# Altium PCB LCD_Controller.PcbDoc (part 1 of 2) (continued)
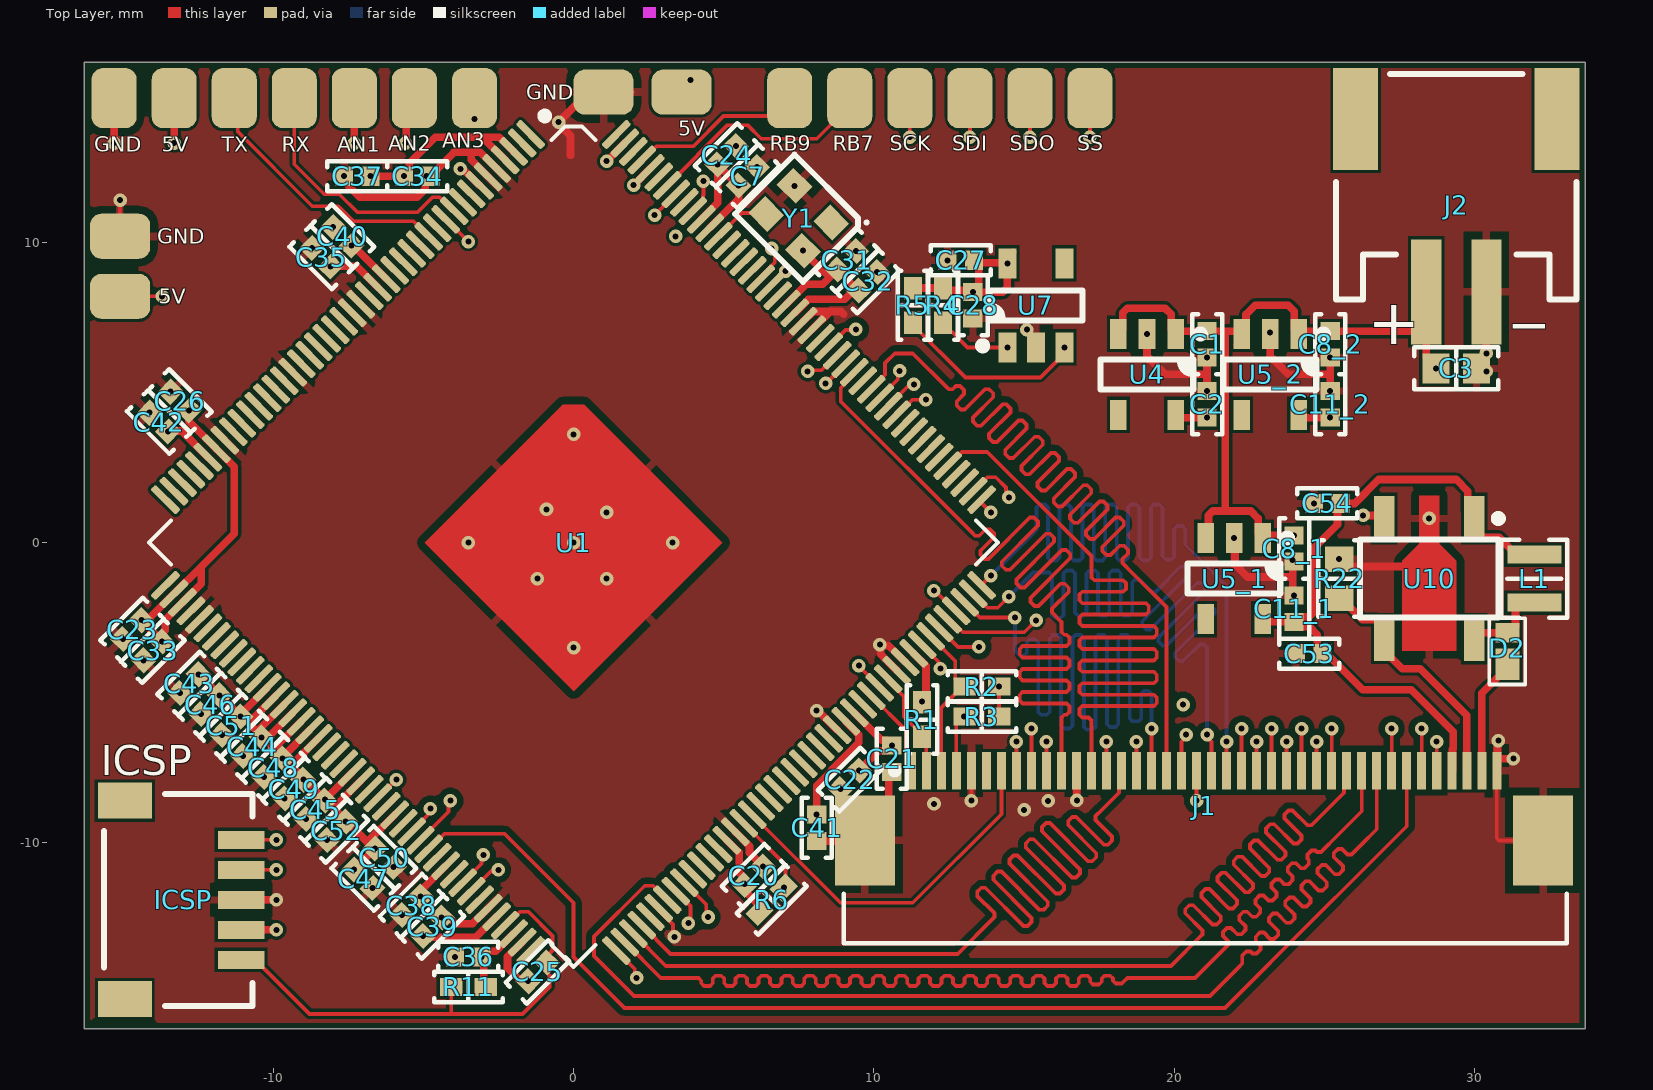
[diagram p0: Top Layer view]
## Footprints (in the part's own frame and the unit in brackets; to place one, negate y for a bottom-side part, rotate by r counter-clockwise, add the part's x,y. Pads: shape width x height; smd on the part's side, far side on the other; paste and mask are expansions set on the pad)
40pin_0.5mmPitch [mm]
  rect 0.3x1.25 smd: 1(-9.75,0) 2(-9.25,0) 3(-8.75,0) 4(-8.25,0) 5(-7.75,0) 6(-7.25,0) 7(-6.75,0) 8(-6.25,0) 9(-5.75,0) 10(-5.25,0) 11(-4.75,0) 12(-4.25,0) 13(-3.75,0) 14(-3.25,0) 15(-2.75,0) 16(-2.25,0) 17(-1.75,0) 18(-1.25,0) 19(-0.75,0) 20(-0.25,0) 21(0.25,0) 22(0.75,0) 23(1.25,0) 24(1.75,0) 25(2.25,0) 26(2.75,0) 27(3.25,0) 28(3.75,0) 29(4.25,0) 30(4.75,0) 31(5.25,0) 32(5.75,0) 33(6.25,0) 34(6.75,0) 35(7.25,0) 36(7.75,0) 37(8.25,0) 38(8.75,0) 39(9.25,0) 40(9.75,0)
  rect 2x3 smd: S1(-11.29,2.325) S2(11.29,2.325)
  silkscreen extent -12.09,-0.1 11.99,5.75, body extent -11.85,0.3 11.85,4.6, height 1.25
"ABRACON ASD" [mm] "Crystal, 4-Leads, Body 2.00x2.45mm, Pitch 1.65mm, IPC Medium Density"
  rect 0.9x0.8 smd: 1(-0.865,-0.665) 2(0.865,-0.665) 3(0.865,0.665) 4(-0.865,0.665)
  silkscreen extent -1.75,-1.55 1.6,1.4, body extent -1.27,-1.02 1.28,1.03, height 1
"CAP 0402_1005" [mm] "Chip Capacitor, 2-Leads, Body 1.02x0.51mm, IPC Medium Density"
  rect 0.6x0.64 smd: 1(-0.44,0) 2(0.44,0)
  silkscreen extent -1,-0.5 1,0.5, body extent -0.5,-0.26 0.5,0.26, height 0.52
"CAP 0603_1608" [mm] "Chip Capacitor, 2-Leads, Body 1.60x0.80mm, IPC Medium Density"
  rect 0.9x1 smd: 1(-0.675,0) 2(0.675,0)
  silkscreen extent -1.4,-0.7 1.4,0.7, body extent -0.8,-0.41 0.8,0.41, height 0.82
"Diode DFN1608D-2 (SOD1608)" [mm]
  rect 1.05x0.8 smd: 1(-0.425,0)
  rect 0.65x0.8 smd: 2(0.625,0)
  silkscreen extent -1.1,-0.6 1.1,0.6, body extent -0.8,-0.4 0.8,0.4, height 0.4
"IND 0806_2016" [mm] "Chip Capacitor, 2-Leads, Body 2.00x1.20mm, IPC Medium Density"
  rect 0.6x1.8 smd: 1(-0.8,0) 2(0.8,0)
  silkscreen extent -1.3,-1.1 1.3,1.1, body extent -1.01,-0.91 1.01,0.91, height 1.81
"JST S2B-PH-SM4-TB" [mm] "JST PH Series 2mm pitch, side entry connector"
  rect 1x3.5 smd: 1(-1,-4.25) 2(1,-4.25)
  rect 1.5x3.4 smd: M(-3.35,1.5) M(3.35,1.5)
  silkscreen extent -4,-4.5 4,3, body extent -3.95,-5.6 3.95,3.01, height 5.6
"JST SM05B-SRSS-TB" [mm] "1.0mm pitch/Disconnectable Crimp style connector"
  rect 0.6x1.55 smd: 1(-2,-2.032) 2(-1,-2.032) 3(0,-2.032) 4(1,-2.032) 5(2,-2.032)
  rect 1.2x1.8 smd: M(-3.3,1.843) M(3.3,1.843)
  silkscreen extent -3.53,-2.41 3.53,2.54, body extent -3.5,-2.38 3.5,2.57, height 2.95
QFP40P2200X2200X160-177N [mm]
  rrect53% 0.24x1.19 smd: 1(-8.6,-10.62) 2(-8.2,-10.62) 3(-7.8,-10.62) 4(-7.4,-10.62) 5(-7,-10.62) 6(-6.6,-10.62) 7(-6.2,-10.62) 8(-5.8,-10.62) 9(-5.4,-10.62) 10(-5,-10.62) 11(-4.6,-10.62) 12(-4.2,-10.62) 13(-3.8,-10.62) 14(-3.4,-10.62) 15(-3,-10.62) 16(-2.6,-10.62) 17(-2.2,-10.62) 18(-1.8,-10.62) 19(-1.4,-10.62) 20(-1,-10.62) 21(-0.6,-10.62) 22(-0.2,-10.62) 23(0.2,-10.62) 24(0.6,-10.62) 25(1,-10.62) 26(1.4,-10.62) 27(1.8,-10.62) 28(2.2,-10.62) 29(2.6,-10.62) 30(3,-10.62) 31(3.4,-10.62) 32(3.8,-10.62) 33(4.2,-10.62) 34(4.6,-10.62) 35(5,-10.62) 36(5.4,-10.62) 37(5.8,-10.62) 38(6.2,-10.62) 39(6.6,-10.62) 40(7,-10.62) 41(7.4,-10.62) 42(7.8,-10.62) 43(8.2,-10.62) 44(8.6,-10.62) 89(8.6,10.62) 90(8.2,10.62) 91(7.8,10.62) 92(7.4,10.62) 93(7,10.62) 94(6.6,10.62) 95(6.2,10.62) 96(5.8,10.62) 97(5.4,10.62) 98(5,10.62) 99(4.6,10.62) 100(4.2,10.62) 101(3.8,10.62) 102(3.4,10.62) 103(3,10.62) 104(2.6,10.62) 105(2.2,10.62) 106(1.8,10.62) 107(1.4,10.62) 108(1,10.62) 109(0.6,10.62) 110(0.2,10.62) 111(-0.2,10.62) 112(-0.6,10.62) 113(-1,10.62) 114(-1.4,10.62) 115(-1.8,10.62) 116(-2.2,10.62) 117(-2.6,10.62) 118(-3,10.62) 119(-3.4,10.62) 120(-3.8,10.62) 121(-4.2,10.62) 122(-4.6,10.62) 123(-5,10.62) 124(-5.4,10.62) 125(-5.8,10.62) 126(-6.2,10.62) 127(-6.6,10.62) 128(-7,10.62) 129(-7.4,10.62) 130(-7.8,10.62) 131(-8.2,10.62) 132(-8.6,10.62)
  rrect53% 1.19x0.24 smd: 45(10.62,-8.6) 46(10.62,-8.2) 47(10.62,-7.8) 48(10.62,-7.4) 49(10.62,-7) 50(10.62,-6.6) 51(10.62,-6.2) 52(10.62,-5.8) 53(10.62,-5.4) 54(10.62,-5) 55(10.62,-4.6) 56(10.62,-4.2) 57(10.62,-3.8) 58(10.62,-3.4) 59(10.62,-3) 60(10.62,-2.6) 61(10.62,-2.2) 62(10.62,-1.8) 63(10.62,-1.4) 64(10.62,-1) 65(10.62,-0.6) 66(10.62,-0.2) 67(10.62,0.2) 68(10.62,0.6) 69(10.62,1) 70(10.62,1.4) 71(10.62,1.8) 72(10.62,2.2) 73(10.62,2.6) 74(10.62,3) 75(10.62,3.4) 76(10.62,3.8) 77(10.62,4.2) 78(10.62,4.6) 79(10.62,5) 80(10.62,5.4) 81(10.62,5.8) 82(10.62,6.2) 83(10.62,6.6) 84(10.62,7) 85(10.62,7.4) 86(10.62,7.8) 87(10.62,8.2) 88(10.62,8.6) 133(-10.62,8.6) 134(-10.62,8.2) 135(-10.62,7.8) 136(-10.62,7.4) 137(-10.62,7) 138(-10.62,6.6) 139(-10.62,6.2) 140(-10.62,5.8) 141(-10.62,5.4) 142(-10.62,5) 143(-10.62,4.6) 144(-10.62,4.2) 145(-10.62,3.8) 146(-10.62,3.4) 147(-10.62,3) 148(-10.62,2.6) 149(-10.62,2.2) 150(-10.62,1.8) 151(-10.62,1.4) 152(-10.62,1) 153(-10.62,0.6) 154(-10.62,0.2) 155(-10.62,-0.2) 156(-10.62,-0.6) 157(-10.62,-1) 158(-10.62,-1.4) 159(-10.62,-1.8) 160(-10.62,-2.2) 161(-10.62,-2.6) 162(-10.62,-3) 163(-10.62,-3.4) 164(-10.62,-3.8) 165(-10.62,-4.2) 166(-10.62,-4.6) 167(-10.62,-5) 168(-10.62,-5.4) 169(-10.62,-5.8) 170(-10.62,-6.2) 171(-10.62,-6.6) 172(-10.62,-7) 173(-10.62,-7.4) 174(-10.62,-7.8) 175(-10.62,-8.2) 176(-10.62,-8.6)
  round 0.025 smd paste-2.675: 177(0,0)
  Top Layer region: 3.5,-3.5 -3,-3.5 -3.5,-3 -3.5,3.5 3.5,3.5
  silkscreen extent -10,-10.84 10,10, body extent -11,-11 11,11, height 1.2
"RES 0402_1005" [mm] "Chip Resistor, 2-Leads, Body 1.0x0.5mm, IPC Medium Density"
  rect 0.75x0.6 smd: 1(-0.575,0) 2(0.575,0)
  silkscreen extent -1.14,-0.51 1.14,0.51, body extent -0.5,-0.25 0.5,0.25, height 0.35
"RES 0603_1608" [mm] "Chip Resistor, 2-Leads, Body 1.60x0.80mm, IPC Medium Density"
  rect 0.85x0.95 smd: 1(-0.65,0) 2(0.65,0)
  silkscreen extent -1.27,-0.7 1.27,0.7, body extent -0.8,-0.4 0.8,0.4, height 0.45
SOT-23-5 [mm]
  rect 0.6x1 smd: 1(-0.95,-1.4) 2(0,-1.4) 3(0.95,-1.4) 4(0.95,1.4) 5(-0.95,1.4)
  silkscreen extent -1.9,-1.47 1.55,0.5, body extent -1.48,-1.44 1.42,1.39, height 1.5
SOT-89-5 [mm]
  rect 0.68x1.5 smd: 1(-1.5,-2) 3(1.5,-2) 4(1.5,2) 5(-1.5,2)
  round 0.025 smd: 2(0,-2)
  Top Layer region: -0.9,-0.6 -0.9,2.4 0.9,2.4 0.9,-0.6 0.34,-1.16 0.34,-2.75 -0.34,-2.75 -0.34,-1.16
  silkscreen extent -2.43,-2.12 2.3,1.3, body extent -2.25,-2.25 2.25,2.25, height 1.54
"TI SOT-23-5 DBV" [mm] "SOT23, 5-Leads, Body 2.90x2.80mm, Pitch 0.95mm, IPC Medium Density"
  rect 1x0.55 smd: 1(-1.35,0.95) 2(-1.35,0) 3(-1.35,-0.95) 4(1.35,-0.95) 5(1.35,0.95)
  silkscreen extent -1.47,-1.55 0.5,1.9, body extent -1.44,-1.42 1.39,1.48, height 1.5

## Part data
C1 C2 C8_1 C8_2 C11_1 C11_2 C53: library part C0402C104K4RACAUTO, "CAP CER 0.1UF 16V X7R 0402", Capacitance="0.1 µF", Device Package="0402 (1005 Metric)", Manufacturer=KEMET, Operating Temperature="-55°C ~ 125°C", Ratings=AEC-Q200, Supplier Part Number 1=399-6828-1-ND, Temperature Coefficient=X7R, Tolerance=±10%, Voltage - Rated=16V, Applications="Automotive, Bypass, Decoupling", ComponentLink1Description=Datasheet, ComponentLink1URL=https://api.kemet.com/component-edge/download/specsheet/C0402C104K4RACAUTO.pdf, ComponentLink2Description="DigiKey Link", ComponentLink2URL=https://www.digikey.com/en/products/detail/kemet/C0402C104K4RACAUTO/3314827, LastUpdated="8/14/2022 9:05:51 PM", Lifecycle Status=Active, Minimum Order=1, Mounting Type="Surface Mount, MLCC", Package / Case="0402 (1005 Metric)", Packaging=TapeAndReel, Part Number=C0402C104K4RACAUTO, Part Status=Active, PartId=3024, Price=0.01, Series="SMD Auto X7R", Size / Dimension="0.039\" L x 0.020\" W (1.00mm x 0.50mm)", Supplier 1=DigiKey, Thickness (Max)="0.022\" (0.55mm)"
C3: library part CL10B334KP8NNNC, "CAP CER 0.33UF 10V X7R 0603", Device Package="0603 (1608 Metric)", Manufacturer="Samsung Electro-Mechanics", Operating Temperature="-55°C ~ 125°C", Supplier Part Number 1=1276-1813-1-ND, Temperature Coefficient=X7R, Tolerance=±10%, Voltage - Rated=10V, Applications="General Purpose", Capacitance="0.33 µF", ComponentLink1Description=Datasheet, ComponentLink1URL=http://www.samsungsem.com/kr/support/product-search/mlcc/CL10B334KP8NNNC.jsp, ComponentLink2Description="DigiKey Link", ComponentLink2URL=https://www.digikey.com/en/products/detail/samsung-electro-mechanics/CL10B334KP8NNNC/3887471, LastUpdated="1/3/2023 8:07:17 PM", Lifecycle Status=Active, Minimum Order=1, Mounting Type="Surface Mount, MLCC", Package / Case="0603 (1608 Metric)", Packaging=TapeAndReel, Part Number=CL10B334KP8NNNC, Part Status=Active, PartId=13456, Price=0.01, Series=CL, Size / Dimension="0.063\" L x 0.031\" W (1.60mm x 0.80mm)", Supplier 1=DigiKey, Thickness (Max)="0.035\" (0.90mm)"
C7 C20 C21 C22 C23 C24 C25 C26 C27 C28 C31 C32 C33 C34 C35 C36 C37 C38 C39 C40 C41 C42 C43 C44 C45 C46 C47 C48 C49 C50 C51 C52 C54: library part C0402C104K4RACAUTO, "CAP CER 0.1UF 16V X7R 0402", Device Package="0402 (1005 Metric)", Manufacturer=KEMET, Operating Temperature="-55°C ~ 125°C", Ratings=AEC-Q200, Supplier Part Number 1=399-6828-1-ND, Temperature Coefficient=X7R, Tolerance=±10%, Voltage - Rated=16V, Applications="Automotive, Bypass, Decoupling", Capacitance="0.1 µF", ComponentLink1Description=Datasheet, ComponentLink1URL=https://api.kemet.com/component-edge/download/specsheet/C0402C104K4RACAUTO.pdf, ComponentLink2Description="DigiKey Link", ComponentLink2URL=https://www.digikey.com/en/products/detail/kemet/C0402C104K4RACAUTO/3314827, LastUpdated="8/14/2022 9:05:51 PM", Lifecycle Status=Active, Minimum Order=1, Mounting Type="Surface Mount, MLCC", Package / Case="0402 (1005 Metric)", Packaging=TapeAndReel, Part Number=C0402C104K4RACAUTO, Part Status=Active, PartId=3024, Price=0.01, Series="SMD Auto X7R", Size / Dimension="0.039\" L x 0.020\" W (1.00mm x 0.50mm)", Supplier 1=DigiKey, Thickness (Max)="0.022\" (0.55mm)"
D2: "DFN1608D-2 (SOD1608)", Digikey Part Number=CLV1L-FKB-CHMMQEHBB7673673-ND, Manufacturer=Cree, Mouser Part Number=941-CLV1LFKBC7673673, Package=LED_3MM2X2MM8, Temperature="-40°C to +100°C", Temperature Range High=+100°C, Temperature Range Low=-40°C, ComponentLink1Description=Upverter, ComponentLink1URL=https://upverter.com/upn/revision/9d0b31f7b1982705/, ComponentLink2Description=Datasheet, ComponentLink2URL=http://www.cree.com/~/media/Files/Cree/LED-Components-and-Modules/HB/Data-Sheets/CLV1L-FKB-1238.pdf, Digikey Description="DIODE LED RGB DIFFUSED 4LCC SMD", Lead Free=yes, Price=0.203999996142, RoHS=TRUE, Supplier 1=Digi-Key, Supplier 2=Mouser, Supplier Part Number 1=CLV1L-FKB-CHMMQEHBB7673673-ND, Supplier Part Number 2=941-CLV1LFKBC7673673
ICSP: "CONN HEADER SMD R/A 5POS 1MM", Current Rating (Amps)=0.7A, Insulation Color=Natural, Manufacturer="JST Sales America Inc.", Material Flammability Rating="UL94 V-0", Operating Temperature="-25°C ~ 85°C", Supplier Part Number 1=455-1805-1-ND, Voltage Rating=50V, ComponentLink1Description=Datasheet, ComponentLink1URL=http://www.jst-mfg.com/product/pdf/eng/eSH.pdf, ComponentLink2Description="DigiKey Link", ComponentLink2URL=http://digikey.com/product-detail/en/jst-sales-america-inc/SM05B-SRSS-TB-LF-SN/455-1805-1-ND/926876, Connector Type=Header, Contact Finish - Mating=Tin, Contact Finish - Post=Tin, Contact Material="Copper Alloy", Contact Shape=Square, Contact Type="Male Pin", Fastening Type=Push-Pull, Features="Solder Retention", Insulation Height="0.114\" (2.90mm)", Insulation Material="Polyamide (PA), Nylon", LastUpdated="1/12/2020 11:42:04 PM", Lifecycle Status=Active, Minimum Order=1, Mounting Type="Surface Mount, Right Angle", Number of Positions=5, Number of Positions Loaded=All, Number of Rows=1, Packaging=TapeAndReel, Part Number=SM05B-SRSS-TB(LF)(SN), Part Status=Active, PartId=63, Pitch - Mating="0.039\" (1.00mm)", Price=0.32, Series=SR, Shrouding="Shrouded - 4 Wall", Style="Board to Cable/Wire", Supplier 1=DigiKey, Termination=Solder
J1: "40 Position FFC, FPC Connector Contacts, Top 0.020 _0.50mm_ Surface Mount, Right Angle", Package=None, Availability=Unavailable, MF=Hirose, MP=FH12A-40S-0.5SH_55_, Price=None, SnapEDA_Link=https://www.snapeda.com/parts/FH12A-40S-0.5SH%2855%29/Hirose%20Electric%20Co%20Ltd/view-part/447132/?ref=snap
J2: "CONN HEADER SMD R/A 2POS 2MM", Current Rating (Amps)=2A, Insulation Color=Natural, Manufacturer="JST Sales America Inc.", Material Flammability Rating="UL94 V-0", Operating Temperature="-25°C ~ 85°C", Supplier Part Number 1=455-1749-1-ND, Voltage Rating=100V, ComponentLink1Description=Datasheet, ComponentLink1URL=http://www.jst-mfg.com/product/pdf/eng/ePH.pdf, ComponentLink2Description="DigiKey Link", ComponentLink2URL=http://digikey.com/product-detail/en/jst-sales-america-inc/S2B-PH-SM4-TB-LF-SN/455-1749-1-ND/926846, Connector Type=Header, Contact Finish - Mating=Tin, Contact Finish - Post=Tin, Contact Length - Mating="0.130\" (3.30mm)", Contact Material="Copper Alloy", Contact Shape=Square, Contact Type="Male Pin", Fastening Type="Detent Lock", Features="Solder Retention", Insulation Height="0.217\" (5.51mm)", Insulation Material="Polyamide (PA6T), Nylon 6T", LastUpdated="1/15/2020 3:45:11 AM", Lifecycle Status=Active, Minimum Order=1, Mounting Type="Surface Mount, Right Angle", Number of Positions=2, Number of Positions Loaded=All, Number of Rows=1, Packaging=TapeAndReel, Part Number=S2B-PH-SM4-TB(LF)(SN), Part Status=Active, PartId=115, Pitch - Mating="0.079\" (2.00mm)", Price=0.27, Series=PH, Shrouding="Shrouded - 4 Wall", Style="Board to Cable/Wire", Supplier 1=DigiKey, Termination=Solder
L1: library part TYA201610100M-10, "FIXED IND 10UH 600MA 875MOHM SMD", Current Rating (Amps)="600 mA", DC Resistance (DCR)="875mOhm Max", Device Package="0806 (2016 Metric)", Inductance Frequency - Test="1 MHz", Manufacturer="Laird-Signal Integrity Products", Operating Temperature="-40°C ~ 125°C", Ratings=AEC-Q200, Supplier Device Package=0806, Supplier Part Number 1=240-TYA201610100M-10CT-ND, Tolerance=±20%, ComponentLink1Description=Datasheet, ComponentLink1URL=https://www.laird.com/sites/default/files/2020-05/TYA201610%20series%20%28Rev%20A%29.pdf, ComponentLink2Description="DigiKey Link", ComponentLink2URL=https://www.digikey.com/en/products/detail/laird-signal-integrity-products/TYA201610100M-10/12664143, Height - Seated (Max)="0.045\" (1.15mm)", Inductance="10 µH", LastUpdated="9/19/2022 1:59:27 PM", Lifecycle Status=Active, Material - Core=Metal, Minimum Order=1, Mounting Type="Surface Mount", Package / Case="0806 (2016 Metric)", Packaging=TapeAndReel, Part Number=TYA201610100M-10, Part Status=Active, PartId=5377, Price=0.12, Series=TYA201610, Shielding=Shielded, Size / Dimension="0.079\" L x 0.063\" W (2.00mm x 1.60mm)", Supplier 1=DigiKey, Type="Drum Core, Wirewound"
R1 R2 R3 R4 R5 R6 R11: library part CRCW0402330RJNEDC, "RES 330 OHM 5% 1/16W 0402", Device Package="0402 (1005 Metric)", Manufacturer="Vishay Dale", Operating Temperature="-55°C ~ 155°C", Power (Watts)="0.063W, 1/16W", Resistance="330 Ohms", Supplier Device Package=0402, Supplier Part Number 1=541-4123-1-ND, Temperature Coefficient=±200ppm/°C, Tolerance=±5%, ComponentLink1Description=Datasheet, ComponentLink1URL=http://www.vishay.com/docs/28773/crcwce3.pdf, ComponentLink2Description="DigiKey Link", ComponentLink2URL=https://www.digikey.com/en/products/detail/vishay-dale/CRCW0402330RJNEDC/7928545, Composition="Thick Film", Height - Seated (Max)="0.014\" (0.35mm)", LastUpdated="8/14/2022 9:23:31 PM", Lifecycle Status=Active, Minimum Order=1, Number of Terminations=2, Package / Case="0402 (1005 Metric)", Packaging=CutTape, Part Number=CRCW0402330RJNEDC, Part Status=Active, PartId=15989, Price=0.01, Series=CRCW-C, Size / Dimension="0.039\" L x 0.020\" W (1.00mm x 0.50mm)", Supplier 1=DigiKey
R22: library part RNCS0603BKE10K0, "RES 10K OHM 0.1% 1/16W 0603", Device Package="0603 (1608 Metric)", Manufacturer="Stackpole Electronics Inc", Operating Temperature="-55°C ~ 155°C", Power (Watts)="0.063W, 1/16W", Ratings=AEC-Q200, Resistance="10 kOhms", Supplier Device Package=0603, Supplier Part Number 1=RNCS0603BKE10K0CT-ND, Temperature Coefficient=±25ppm/°C, Tolerance=±0.1%, ComponentLink1Description=Datasheet, ComponentLink1URL=https://www.seielect.com/catalog/sei-rncs_rnch.pdf, ComponentLink2Description="DigiKey Link", ComponentLink2URL=https://www.digikey.com/en/products/detail/stackpole-electronics-inc/RNCS0603BKE10K0/1708836, Composition="Thin Film", Features="Anti-Corrosive, Automotive AEC-Q200, Moisture Resistant", Height - Seated (Max)="0.022\" (0.55mm)", LastUpdated="9/19/2022 1:22:34 PM", Lifecycle Status=Active, Minimum Order=1, Number of Terminations=2, Package / Case="0603 (1608 Metric)", Packaging=TapeAndReel, Part Number=RNCS0603BKE10K0, Part Status=Active, PartId=4838, Price=0.07, Series=RNCS, Size / Dimension="0.061\" L x 0.031\" W (1.55mm x 0.80mm)", Supplier 1=DigiKey
U1: "MIPS32Â® microAptivâ„¢ PICÂ® 32MZ DA Microcontroller IC 32-Bit 200MHz 2MB _2M x 8_ FLASH 176-LQFP _20x20_", Package="LQFP-176 Microchip", Availability=Unavailable, MF=Microchip, MP=PIC32MZ2064DAH176-I/2J, Price=None, SnapEDA_Link=https://www.snapeda.com/parts/PIC32MZ2064DAH176-I/2J/Microchip/view-part/880359/?ref=snap
U4: library part MIC5504-1.8YM5
U5_1 U5_2: library part MIC5504-3.3YM5, "3.3V LDO"
U7: "EEPROM"
U10: "LED Backlight Driver"
Y1: library part ASD3-27.000MHZ-EC-T, "XTAL OSC XO 27.0000MHZ HCMOS SMD", Current - Supply (Max)=4mA, Frequency Stability=±50ppm, Manufacturer="Abracon LLC", Operating Temperature="-20°C ~ 70°C", Package / Case="4-SMD, No Lead", Supplier Part Number 1=535-9608-1-ND, Voltage - Supply=1.8V, Base Resonator=Crystal, ComponentLink1Description=Datasheet, ComponentLink1URL=https://abracon.com/Oscillators/ASDseries.pdf, ComponentLink2Description="DigiKey Link", ComponentLink2URL=http://digikey.com/product-detail/en/abracon-llc/ASD3-27.000MHZ-EC-T/535-9608-1-ND/1237075, Frequency=27MHz, Function=Enable/Disable, Height - Seated (Max)="0.039\" (1.00mm)", LastUpdated="9/14/2022 8:37:45 AM", Lifecycle Status=Active, Minimum Order=1, Mounting Type="Surface Mount", Output=HCMOS, Packaging=TapeAndReel, Part Number=ASD3-27.000MHZ-EC-T, Part Status=Active, PartId=4, Price=1.74, Series=ASD, Size / Dimension="0.098\" L x 0.079\" W (2.50mm x 2.00mm)", Supplier 1=DigiKey, Type="XO (Standard)"

## Free pads (board coordinates)
  rrect50% 1.5x2 smd: 1(-15.3,14.8) 2(-13.3,14.8) 3(-11.3,14.8) 4(-9.3,14.8) 5(-7.3,14.8) 6(-5.3,14.8) 7(-3.3,14.8) 10(7.2,14.8) 11(9.2,14.8) 12(11.2,14.8) 13(13.2,14.8) 14(15.2,14.8) 15(17.2,14.8)
  rrect50% 2x1.5 smd: 1(-15.1,10.2) 2(-15.1,8.2) 8(1,15) 9(3.6,15)

## Via types
v1: diameter 0.45, hole 0.2, Top Layer to Bottom Layer, tented both sides, 177 vias

## Nets (pads, with @x,y where several pads share a name; then routed paths per layer and width w, separated by ;. In a path a pad name is that pad's centre, name@x,y a point inside that pad or via, vN(x,y) a via of type N, cw(c..) or ccw(c..) an arc to the next point about the centre after c; other vN are vias at no path point)
1V8: C2.2 C38.2 C39.2 C40.2 C41.2 C42.2 C43.2 C44.2 C45.2 C46.2 C47.2 C48.2 C49.2 C50.2 C51.2 C52.2 U1.18 U1.39 U1.57 U1.58 U1.59 U1.60 U1.61 U1.62 U1.63 U1.67 U1.68 U1.72 U1.78 U1.84 U1.116 U4.5 | length 138.7
  Top Layer w0.254: v1(-13.5,3.7) -13.486,3.714 -13.048,3.714 U1.39@-12.176,2.843 ; v1(-12.489,-4.389) -11.769,-5.108 v1(-11.089,-5.789) ; U1.57@-10.196,-4.822 -10.196,-4.832 -11.089,-5.725 v1(-11.089,-5.789) ; U1.58@-9.914,-5.105 -10.819,-6.011 -10.819,-6.019 ; v1(-9.689,-7.189) C48.2@-9.689,-7.153 ; C48.2@-9.669,-7.169 -9.409,-7.429 ; U1.59@-9.631,-5.388 -10.512,-6.269 C44.2@-10.569,-6.269 ; U1.60@-9.348,-5.671 -10.166,-6.489 C44.2@-10.35,-6.489 ; U1.61@-9.065,-5.954 -9.919,-6.808 -9.919,-6.919 ; U1.62@-8.782,-6.237 -9.689,-7.143 C48.2@-9.689,-7.15 ; U1.63@-8.499,-6.52 -9.409,-7.429 ; C45.2@-8.289,-8.589 -8.289,-8.58 -8.274,-8.565 v1(-8.278,-8.561) ; C45.2@-8.289,-8.572 v1(-8.278,-8.561) ; C45.2@-8.269,-8.569 -8.019,-8.819 ; v1(-7.389,9.889) -7.343,9.889 U1.18@-6.237,8.782 ; U1.67@-7.368,-7.651 v1(-8.278,-8.561) ; v1(-7.311,-10.889) v1(-6.611,-10.189) -6.844,-9.956 U1.72@-5.954,-9.065 ; U1.68@-7.085,-7.934 -7.971,-8.819 -8.019,-8.819 ; -6.864,-9.975 -8.019,-8.819 ; v1(-5.089,-11.789) -5.089,-11.594 U1.78@-4.257,-10.762 ; v1(-5.011,-13.111) -4.766,-13.111 -4.734,-13.143 -3.254,-13.143 -2.57,-12.459 U1.84@-2.56,-12.459 ; v1(8.1,-9.06) 8.1,-8.1 8.6,-7.6 8.6,-7.566 9.5,-6.666 9.5,-6.399 9.065,-5.964 U1.116@9.065,-5.954 ; U4.5@20.05,4.25 20.14,4.16 v1(21.1,4.16) ; v1(-11.089,-5.789) -11.05,-5.789 -10.819,-6.019 ; -10.819,-6.019 C44.2@-10.569,-6.269 ; C44.2@-10.569,-6.269 -10.389,-6.45 v1(-10.389,-6.489) C44.2@-10.35,-6.489 ; C44.2@-10.35,-6.489 -9.919,-6.919 ; -9.919,-6.919 C48.2@-9.689,-7.15 ; C48.2@-9.689,-7.153 C48.2@-9.689,-7.15 ; C48.2@-9.689,-7.153 -9.687,-7.152 C48.2@-9.689,-7.15 ; -9.409,-7.429 -8.969,-7.869 v1(-8.278,-8.561)
  Signal 1 w0.254: v1(-7.389,9.889) -6.678,10.6 1.6,10.6 2.379,11.379 3.482,11.379 7,7.861 7,-7.96 v1(8.1,-9.06) ; 7.039,7.861 20.076,7.861 21.579,6.358 21.579,4.639 v1(21.1,4.16)
  Signal 2 w0.254: v1(-13.5,3.7) -13,3.2 ; v1(-12.489,-4.389) -12,-3.9 ; v1(-11.789,-5.089) -11.35,-4.65 -11.35,-4.55 ; v1(-11.089,-5.789) -10.65,-5.35 -10.65,-5.25 ; v1(-10.389,-6.489) -9.95,-6.05 -9.85,-6.05 ; v1(-9.689,-7.189) -9.2,-6.7 ; v1(-9,-7.9) -8.55,-7.45 -8.55,-7.35 ; v1(-8.278,-8.561) -7.85,-8.132 -7.85,-8.05 ; v1(-7.589,-9.289) -7.15,-8.85 -7.15,-8.75 ; v1(-7.389,9.889) -7.389,8.811 -13,3.2 ; v1(-7.311,-10.889) v1(-6.611,-10.189) -6.611,-10.154 -6.2,-9.743 -6.2,-9.7 ; v1(-5.011,-13.111) -5.011,-11.92 -5.089,-11.842 v1(-5.089,-11.789) -5.089,-10.811 -6.2,-9.7 ; v1(8.1,-9.06) 6.64,-7.6 -4.6,-7.6 -6.45,-9.45 ; -13,3.2 -13,-2.9 -12,-3.9 ; -12,-3.9 -11.35,-4.55 ; -11.35,-4.55 -10.65,-5.25 ; -10.65,-5.25 -9.85,-6.05 ; -9.85,-6.05 -9.2,-6.7 ; -9.2,-6.7 -8.55,-7.35 ; -8.55,-7.35 -7.85,-8.05 ; -7.85,-8.05 -7.15,-8.75 ; -7.15,-8.75 -6.45,-9.45 ; -6.45,-9.45 -6.2,-9.7
3V3_LCD: C11_1.2 C53.2 C54.2 J1.4 L1.1 U5_1.5 U10.1 | length 22.7
  Top Layer w0.254: U5_1.5@22.95,-2.55 23.04,-2.64 C11_1.2@24,-2.64 ; J1.4@29.25,-7.6 29.273,-7.577 29.273,-6.892 29.302,-6.863 29.302,-6.302 27.9,-4.9 26.28,-4.9 25.02,-3.64 24.9,-3.64 24.767,-3.507 24.767,-3.067 24.495,-2.795 24.155,-2.795 C11_1.2@24,-2.64 ; L1.1@32,-0.4 31.4,-0.4 30.823,0.177 30.213,0.177 30,0.39 U10.1@30,0.8 29.787,1.013 29.787,1.713 29.4,2.1 26.823,2.1 26.023,1.3 C54.2@25.54,1.3 25.444,1.204 25.444,0.599 24.655,-0.19 24.655,-2.318 24.506,-2.467 24.173,-2.467 C11_1.2@24,-2.64
3V3_MCU: C7.2 C11_2.2 C20.2 C21.2 C22.2 C23.2 C24.2 C26.2 C27.2 C28.2 C31.2 C32.2 C33.2 C34.2 C35.2 C36.2 C37.2 ICSP.2 R1.1 R2.1 R3.1 R4.1 R5.1 R6.1 R11.2 U1.3 U1.4 U1.19 U1.38 U1.46 U1.47 U1.86 U1.102 U1.117 U1.124 U1.155 U1.156 U1.165 U1.166 U5_2.5 U7.5 Y1.4 | length 164.4
  Top Layer w0.127: R1.1@11.6,-5.325 v1(11.6,-5.3) ; R3.1@14.175,-5.8 v1(14.175,-4.8)
  Top Layer w0.254: v1(-12.8,4.4) -12.814,4.386 -12.814,4.046 U1.38@-11.894,3.125 -11.894,3.116 -11.3,2.522 -11.3,0.297 -12.398,-0.802 ; ICSP.2@-11.068,-12.9 v1(-9.9,-12.9) ; v1(-8.089,9.189) -8.075,9.203 -7.223,9.203 U1.19@-6.52,8.499 ; v1(-6.76,12.2) v1(-5.64,12.2) -5.467,12.373 -5.467,12.633 -4.6,13.5 -2.99,13.5 ; R11.2@-2.925,-14.8 -2.992,-14.733 -2.992,-13.868 v1(-3.06,-13.8) -3.06,-13.78 -2.887,-13.607 -2.586,-13.607 -2.004,-13.025 U1.86@-1.994,-13.025 ; U1.4@-2.277,12.742 -2.99,13.455 -2.99,13.5 ; U1.3@-1.994,13.025 -2.004,13.025 -2.479,13.5 -2.99,13.5 ; U1.166@4.257,10.762 4.257,10.772 4.803,11.318 C24.2@4.803,12.575 ; U1.165@4.54,10.479 5.503,11.443 5.503,11.875 v1(5.489,11.889) C24.2@4.803,12.575 ; U1.102@5.105,-9.914 5.518,-10.326 5.518,-10.995 5.689,-11.166 v1(5.689,-11.378) C20.2@5.689,-11.411 5.689,-11.589 6.193,-12.093 R6.1@6.193,-12.307 ; U1.156@7.085,7.934 7.751,8.6 8.3,8.6 8.53,8.83 ; U1.155@7.368,7.651 7.378,7.651 7.827,8.1 9.029,8.1 9.318,8.389 C32.2@9.489,8.389 C31.2@8.789,9.089 ; v1(7.641,9.718) 8.53,8.83 ; C31.2@8.775,9.103 C31.2@8.789,9.089 ; U1.117@9.348,-5.671 10.264,-6.587 10.427,-6.587 v1(10.6,-6.76) 10.427,-6.933 10.167,-6.933 C22.2@9.511,-7.589 v1(9.5,-7.6) ; R5.1@11.3,8.475 R4.1@12.3,8.475 12.368,8.407 13.233,8.407 v1(13.3,8.34) C28.2@13.32,8.34 ; U1.124@11.328,-3.691 11.328,-3.701 11.74,-4.113 11.74,-5.16 v1(11.6,-5.3) ; C27.2@13.34,9.4 13.422,9.318 C27.2@13.493,9.318 ; U7.5@14.623,9.673 14.45,9.5 v1(14.45,9.3) ; U5_2.5@24.15,4.25 24.24,4.16 v1(25.2,4.16) ; C33.2@-13.714,-3.275 -13.714,-3.041 -13.6,-2.927 -13.6,-2.579 -13.025,-2.004 U1.47@-13.025,-1.994 -12.398,-1.367 -12.398,-0.802 ; C33.2@-13.714,-3.275 -13.714,-3.286 v1(-13.7,-3.3) -13.7,-3.289 C33.2@-13.714,-3.275 ; C33.2@-13.714,-3.275 -14.389,-2.6 v1(-14.389,-2.589) -14.195,-2.589 -13.318,-1.711 U1.46@-13.308,-1.711 -12.398,-0.802 ; C24.2@4.803,12.575 v1(4.789,12.589) C24.2@4.803,12.575 ; 8.53,8.83 C31.2@8.789,9.089 ; C28.2@13.32,8.34 14.301,8.34 14.45,8.489 v1(14.45,9.3) ; C28.2@13.32,8.34 13.493,8.513 C27.2@13.493,9.318 ; C27.2@13.493,9.318 14.432,9.318 v1(14.45,9.3)
  Signal 1 w0.254: v1(5.689,-11.378) 5.689,-11.325 5.521,-11.157 5.521,-10.901 6.623,-9.8 8.2,-9.8 9.5,-8.5 v1(9.5,-7.6) 9.538,-7.562 9.798,-7.562 v1(10.6,-6.76) 11.562,-5.798 11.562,-5.338 v1(11.6,-5.3)
  Signal 2 w0.254: v1(-12.8,4.4) -9.295,7.905 -9.295,9.195 ; v1(-9.9,-12.9) -8.2,-14.6 -3.86,-14.6 v1(-3.06,-13.8) 1.1,-13.8 3.522,-11.378 v1(5.689,-11.378) ; v1@-8.095,9.195 -9.295,9.195 ; v1@5.489,11.88 v1(5.489,11.889) v1(4.789,12.589) 4.078,13.3 -0.231,13.3 ; v1@7.641,9.727 v1(7.641,9.718) 7.641,8.381 7.6,8.34 ; v1(9.5,-7.6) 10.4,-6.7 v1@10.5,-6.7 ; v1@10.563,-6.798 v1(10.6,-6.76) ; v1(11.6,-5.3) 11.562,-5.338 11.562,-6.362 11.6,-6.4 ; v1(14.175,-4.8) 14.175,-5.625 13.4,-6.4 11.6,-6.4 ; v1(14.45,9.3) 14.45,8.35 14.46,8.34 ; v1(25.2,4.16) 24.614,4.16 20.434,8.34 15.41,8.34 14.45,8.34 v1(13.3,8.34) ; -9.295,9.195 -9.295,10.305 -8.2,11.4 -7.56,11.4 v1(-6.76,12.2) v1(-5.64,12.2) -4.54,13.3 -0.231,13.3 ; -0.231,13.3 -0.231,11.231 2.66,8.34 7.6,8.34 ; 7.6,8.34 v1(13.3,8.34) ; v1(10.6,-6.76) 8.5,-4.66 8.5,0.1 13.3,4.9 v1(13.3,8.34) ; v1(10.6,-6.76) 10.96,-6.4 11.6,-6.4
5V: C1.2 C3.2 C8_1.2 C8_2.2 J2.1 pad.2 pad.9 U4.1 U4.3 U5_1.1 U5_1.3 U5_2.1 U5_2.3 | length 82.4
  Top Layer w0.127: pad.2@-15.1,8.2 v1(-13.7,8.2)
  Top Layer w0.254: v1(-13.3,13.3) pad.2@-13.3,14.8 ; pad.9@3.9,15 v1(3.9,15.4) ; U4.3@18.15,7.175 U4.3@18.15,6.95 18.298,7.098 18.298,7.651 18.447,7.8 19.7,7.8 19.902,7.598 19.902,7.098 U4.1@20.05,6.95 20.14,7.04 C1.2@21.1,7.04 21.7,7.04 ; U5_1.3@21.05,0.15 21.148,0.248 21.148,0.901 21.297,1.05 21.7,1.05 ; U5_2.3@22.102,6.577 22.25,6.725 U5_2.3@22.25,6.95 22.16,7.04 21.7,7.04 ; U5_2.3@22.398,7.098 22.398,7.598 22.7,7.9 23.8,7.9 24,7.7 24,7.472 24.002,7.47 24.002,7.098 U5_2.1@24.15,6.95 24.24,7.04 C8_2.2@25.2,7.04 28.027,7.04 J2.1@28.4,7.413 ; v1(24,0.24) 23.04,0.24 U5_1.1@22.95,0.15 22.802,0.298 22.802,0.798 22.55,1.05 21.7,1.05 ; J2.1@28.4,8.35 J2.1@28.4,7.413 ; v1(28.725,5.8) 28.725,5.85 28.4,6.175 J2.1@28.4,7.413 ; 21.7,1.05 21.7,7.04
  Signal 1 w0.254: v1(-13.7,8.2) -13.7,12.847 -13.3,13.247 v1(-13.3,13.3) -11.1,15.5 -3.677,15.5 -3.577,15.4 11.439,15.4 11.539,15.5 19.025,15.5 v1(28.725,5.8)
AN1: pad.5 U1.172 | length 12.4
  Top Layer w0.254: v1(-7.3,13.3) pad.5@-7.3,14.8 ; v1(2,11.899) U1.172@2.56,12.459
  Signal 1 w0.254: v1(-7.3,13.3) -6.6,13.3 -6,12.7 -4.5,12.7 -4.3,12.5 -4.3,12.125 -4.074,11.899 v1(2,11.899)
AN2: pad.6 U1.175 | length 10.5
  Top Layer w0.254: v1(-5.6,13.3) -5.577,13.323 -5.577,14.523 pad.6@-5.3,14.8 ; v1(1.103,12.7) U1.175@1.711,13.308
  Signal 1 w0.254: v1(-5.6,13.3) -4.964,13.3 -3.685,14.579 -2.257,14.579 -0.378,12.7 v1(1.103,12.7)
AN3: pad.7 U1.7 | length 2.7
  Top Layer w0.254: v1@-3.772,12.428 v1(-3.772,12.441) -3.735,12.403 -3.645,12.403 -3.135,11.894 U1.7@-3.125,11.894
  Signal 1 w0.254: v1(-3.772,12.441) -3.3,12.913 v1(-3.3,14.1)
GND: C1.1 C2.1 C3.1 C7.1 C8_1.1 C8_2.1 C11_1.1 C11_2.1 C20.1 C21.1 C22.1 C23.1 C24.1 C25.2 C26.1 C27.1 C28.1 C31.1 C32.1 C33.1 C34.1 C35.1 C36.1 C37.1 C38.1 C39.1 C40.1 C41.1 C42.1 C43.1 C44.1 C45.1 C46.1 C47.1 C48.1 C49.1 C50.1 C51.1 C52.1 C53.1 C54.1 ICSP.3 J1.1 J1.29 J1.36 J1.S1 J1.S2 J2.2 pad.1 pad.8 R22.2 U1.5 U1.6 U1.21 U1.22 U1.29 U1.37 U1.48 U1.49 U1.83 U1.87 U1.94 U1.103 U1.115 U1.122 U1.123 U1.153 U1.154 U1.177 U4.2 U5_1.2 U5_2.2 U7.2 U10.2 Y1.2 | length 60.4
  Top Layer w0.127: pad.1@-15.1,10.2 v1(-15.1,11.4) ; U1.94@2.843,-12.176 2.843,-12.256 3.308,-12.722 3.308,-13.082 v1(3.363,-13.137) ; v1(13.25,-8.6) J1.36@13.25,-7.6 ; J1.1@30.75,-7.6 30.75,-9.851 30.824,-9.925 J1.S1@32.29,-9.925
  Top Layer w0.254: v1(-15.3,13.3) pad.1@-15.3,14.8 ; ICSP.3@-11.068,-11.9 v1(-9.9,-11.9) ; v1(-7.64,12.2) -7.501,12.061 -7.501,11.88 -7.121,11.5 -5.2,11.5 -4.933,11.767 -4.933,12.027 C34.1@-4.83,12.13 ; v1(-4.9,12.2) C34.1@-4.76,12.2 -4.76,12.22 -3.98,13 -3.405,13 ; v1(-4.389,-12.489) -4.144,-12.489 -3.933,-12.7 -3.366,-12.7 U1.83@-2.843,-12.176 ; U1.6@-2.843,12.176 -2.843,12.186 -3.405,12.749 -3.405,13 ; U1.5@-2.56,12.459 -2.57,12.459 -3.11,13 -3.405,13 ; U1.87@-1.711,-13.308 -2.2,-13.797 -2.2,-14.167 -1.756,-14.611 v1(-1.511,-14.611) ; -0.1,12.9 -0.1,13.547 -0.5,13.947 v1(-0.5,14) 0.444,14.944 1.844,14.944 1.9,15 1.525,14.985 pad.8@1.52,14.985 ; U1.103@5.388,-9.631 5.388,-9.641 5.861,-10.113 5.861,-10.338 v1(6.311,-10.789) ; U1.154@7.651,7.368 7.977,7.694 8.543,7.694 ; U1.153@7.934,7.085 8.543,7.694 ; C41.1@8.1,-9.94 9.71,-9.94 J1.S2@9.71,-9.925 10.5,-9.135 10.5,-7.74 v1(10.6,-7.64) ; v1(8.1,-5.6) 8.136,-5.6 8.772,-6.237 U1.115@8.782,-6.237 ; 9,7.6 8.906,7.694 8.543,7.694 ; v1(10.2,-3.4) v1@10.238,-3.438 ; U1.122@10.762,-4.257 10.762,-4.247 10.238,-3.722 v1@10.238,-3.438 ; U1.123@11.045,-3.974 11.035,-3.974 10.499,-3.438 v1@10.238,-3.438 ; J1.29@16.75,-7.6 16.756,-7.606 16.756,-8.582 v1(16.761,-8.588) ; v1(19.1,6.95) 19.1,6.2 19.7,5.6 21.1,5.6 ; v1(21.1,5.04) 21.1,5.6 ; v1(21.1,6.16) 21.1,5.6 ; v1(22,0.15) 22.031,0.119 22.031,-0.731 22.45,-1.15 23.95,-1.15 ; v1(23.2,7) U5_2.2@23.2,6.95 23.2,6.2 23.8,5.6 25.2,5.6 ; v1(23.95,-0.59) 23.95,-1.15 ; v1(24,-1.76) 23.95,-1.71 23.95,-1.15 ; v1(25.2,5.04) 25.2,5.6 ; v1(25.2,6.16) 25.2,5.6 ; v1(25.5,-0.55) 25.75,-0.8 28.439,-0.8 28.588,-0.651 28.588,0.712 v1(28.5,0.8) 28.5,1.4 ; v1(30.4,5.7) v1(30.4,6.3) J2.2@30.4,8.35 ; v1(30.8,-6.6) 30.773,-6.627 J1.1@30.773,-7.202 ; v1(31.3,-7.2) 31.298,-7.202 J1.1@30.773,-7.202 ; J1.1@30.773,-7.202 30.773,-7.577 J1.1@30.75,-7.6 30.75,-7.225 J1.1@30.773,-7.202
  other v1: -3.94,-13.8 -5.711,-12.411 -6.689,-11.511 -5.989,-10.811 -8.211,-9.911 -8.911,-9.211 15.006,-8.906 12.006,-8.706 15.806,-8.606 -9.622,-8.522 8.889,-8.211 -10.311,-7.811 -11.011,-7.111 -11.711,-6.411 -12.411,-5.711 -13.111,-5.011 -14.322,-3.922 0,-3.5 -15.011,-3.211 -1.2,-1.2 1.1,-1.2 -3.5,0 0,0 3.3,0 1.1,1 -0.9,1.1 24.66,1.3 0,3.6 -14.122,4.322 -13.422,5.022 15.102,7.09 10.111,9.011 12.46,9.4 9.411,9.711 -8.711,9.811 -8.011,10.511 7.359,11.882 6.111,12.511 5.411,13.211
I2C2.SCL: R4.2 U1.129 U7.1 | length 12.7
  Top Layer w0.127: v1(12,-1.6) 12.033,-1.6 12.71,-2.277 U1.129@12.742,-2.277 ; R4.2@12.3,7.325 12.3,7.25 12.537,7.014 12.612,7.014 13.125,6.5 v1(14.45,6.5)
  Signal 2 w0.127: v1(12,-1.6) 12.9,-0.7 12.9,3.2 14.45,4.75 v1(14.45,6.5)
I2C2.SDA: R5.2 U1.128 U7.3 | length 19.3
  Top Layer w0.127: R5.2@11.3,7.325 11.3,7.25 13.05,5.5 15.55,5.5 16.35,6.3 v1(16.35,6.5) ; U1.128@12.459,-2.56 12.539,-2.56 12.968,-2.989 15.011,-2.989 v1(15.405,-2.595)
  Signal 2 w0.127: v1(15.405,-2.595) 16.35,-1.65 v1(16.35,6.5) v1@16.35,6.637
LCD.B0: J1.21 U1.89 | length 39.9
  Top Layer w0.127: U1.89@1.428,-13.591 2.038,-14.2 2.038,-14.438 v1(2.1,-14.5) ; v1(20.75,-8.6) J1.21@20.75,-7.6
  Signal 1 w0.127: v1(2.1,-14.5) 15.2,-14.5 16,-13.7 16.045,-13.655 16.045,-13.52 16.034,-13.509 16.034,-13.375 16.169,-13.24 16.303,-13.24 17.024,-13.96 17.158,-13.96 17.293,-13.826 17.293,-13.691 16.573,-12.97 16.573,-12.836 16.707,-12.701 16.842,-12.701 17.563,-13.422 17.697,-13.422 17.832,-13.287 17.832,-13.152 17.111,-12.432 17.111,-12.297 17.246,-12.162 17.381,-12.162 18.101,-12.883 18.236,-12.883 18.371,-12.748 18.371,-12.613 17.65,-11.893 17.65,-11.758 17.785,-11.623 17.92,-11.623 18.64,-12.344 18.775,-12.344 18.91,-12.209 18.91,-12.075 18.189,-11.354 18.189,-11.219 18.324,-11.085 18.458,-11.085 19.179,-11.805 19.314,-11.805 19.448,-11.67 19.448,-11.536 18.728,-10.815 18.728,-10.681 18.863,-10.546 18.997,-10.546 19.718,-11.266 19.853,-11.266 19.987,-11.132 19.987,-10.997 19.267,-10.276 19.267,-10.142 19.401,-10.007 19.536,-10.007 20.257,-10.728 20.391,-10.728 20.526,-10.593 20.526,-10.458 19.806,-9.738 19.806,-9.603 19.94,-9.468 20.075,-9.468 20.446,-9.839 20.58,-9.839 20.715,-9.704 20.715,-9.569 20.49,-9.345 20.49,-9.21 20.684,-9.016 20.684,-8.961 20.684,-8.616 v1@20.7,-8.6
LCD.B1: J1.22 U1.97 | length 40
  Top Layer w0.127: U1.97@3.691,-11.328 4.42,-12.057 4.42,-12.411 v1(4.481,-12.472) ; J1.22@20.25,-7.6 20.25,-6.637 20.4,-6.487 v1(20.4,-6.4)
  Signal 1 w0.127: v1(4.481,-12.472) 5.309,-13.3 14.4,-13.3 14.95,-12.75 14.995,-12.705 14.995,-12.57 14.856,-12.432 14.856,-12.297 14.991,-12.162 15.126,-12.162 15.888,-12.925 16.023,-12.925 16.157,-12.79 16.157,-12.655 15.395,-11.893 15.395,-11.758 15.53,-11.623 15.664,-11.623 16.427,-12.386 16.561,-12.386 16.696,-12.251 16.696,-12.116 15.934,-11.354 15.934,-11.219 16.068,-11.085 16.203,-11.085 16.966,-11.847 17.1,-11.847 17.235,-11.712 17.235,-11.578 16.473,-10.815 16.473,-10.68 16.607,-10.546 16.742,-10.546 17.504,-11.308 17.639,-11.308 17.774,-11.173 17.774,-11.039 17.011,-10.276 17.011,-10.142 17.146,-10.007 17.281,-10.007 18.043,-10.769 18.178,-10.769 18.313,-10.635 18.313,-10.5 17.55,-9.738 17.55,-9.603 17.685,-9.468 17.82,-9.468 18.582,-10.231 18.717,-10.231 18.851,-10.096 18.851,-9.961 18.089,-9.199 18.089,-9.064 18.224,-8.929 18.358,-8.929 19.121,-9.692 19.256,-9.692 19.39,-9.557 19.39,-9.422 18.628,-8.66 18.628,-8.525 18.763,-8.391 18.897,-8.391 19.381,-8.874 19.516,-8.874 19.651,-8.74 19.651,-8.605 19.44,-8.395 19.44,-8.26 19.95,-7.75 20.338,-7.362 20.338,-6.462 v1(20.4,-6.4)
LCD.B2: J1.23 U1.146 | length 40.5
  Top Layer w0.127: U1.146@9.914,5.105 9.914,5.129 10.374,5.589 10.374,5.974 10.7,6.3 11.3,6.3 12.45,5.15 12.495,5.105 12.63,5.105 12.739,5.214 12.873,5.214 13.008,5.079 13.008,4.945 12.762,4.699 12.762,4.564 12.897,4.429 13.031,4.429 13.708,5.106 13.843,5.106 13.977,4.971 13.977,4.836 13.301,4.16 13.301,4.025 13.435,3.89 13.57,3.89 14.282,4.602 14.417,4.602 14.551,4.467 14.551,4.333 13.84,3.621 13.84,3.486 13.974,3.351 14.109,3.351 14.821,4.063 14.956,4.063 15.09,3.929 15.09,3.794 14.378,3.082 14.378,2.947 14.513,2.813 14.648,2.813 15.36,3.525 15.494,3.525 15.629,3.39 15.629,3.255 14.917,2.543 14.917,2.409 15.052,2.274 15.187,2.274 15.898,2.986 16.033,2.986 16.168,2.851 16.168,2.716 15.456,2.004 15.456,1.87 15.591,1.735 15.725,1.735 16.437,2.447 16.572,2.447 16.707,2.312 16.707,2.178 15.995,1.466 15.995,1.331 16.129,1.196 16.264,1.196 16.976,1.908 17.111,1.908 17.245,1.773 17.245,1.639 16.534,0.927 16.534,0.792 16.668,0.657 16.803,0.657 17.515,1.369 17.65,1.369 17.784,1.235 17.784,1.1 17.072,0.388 17.072,0.253 17.207,0.119 17.342,0.119 18.054,0.83 18.188,0.83 18.323,0.696 18.323,0.561 17.611,-0.151 17.611,-0.286 17.746,-0.42 17.881,-0.42 18.194,-0.107 18.329,-0.107 18.464,-0.241 18.464,-0.376 18.287,-0.552 18.287,-0.687 18.61,-1.01 18.655,-1.055 19.75,-2.15 J1.23@19.75,-7.6